# Altium PCB Xduino_Uno_Rev3.02.PcbDoc (part 3 of 3)
Units mil, origin at the board's own origin, x right, y up, seen from the top; angles counter-clockwise.
Board outline 2700 x 2100 mil, 2 copper layers (Top Layer, Bottom Layer); 236 components, 50 nets, 936 pads, 1268 vias.
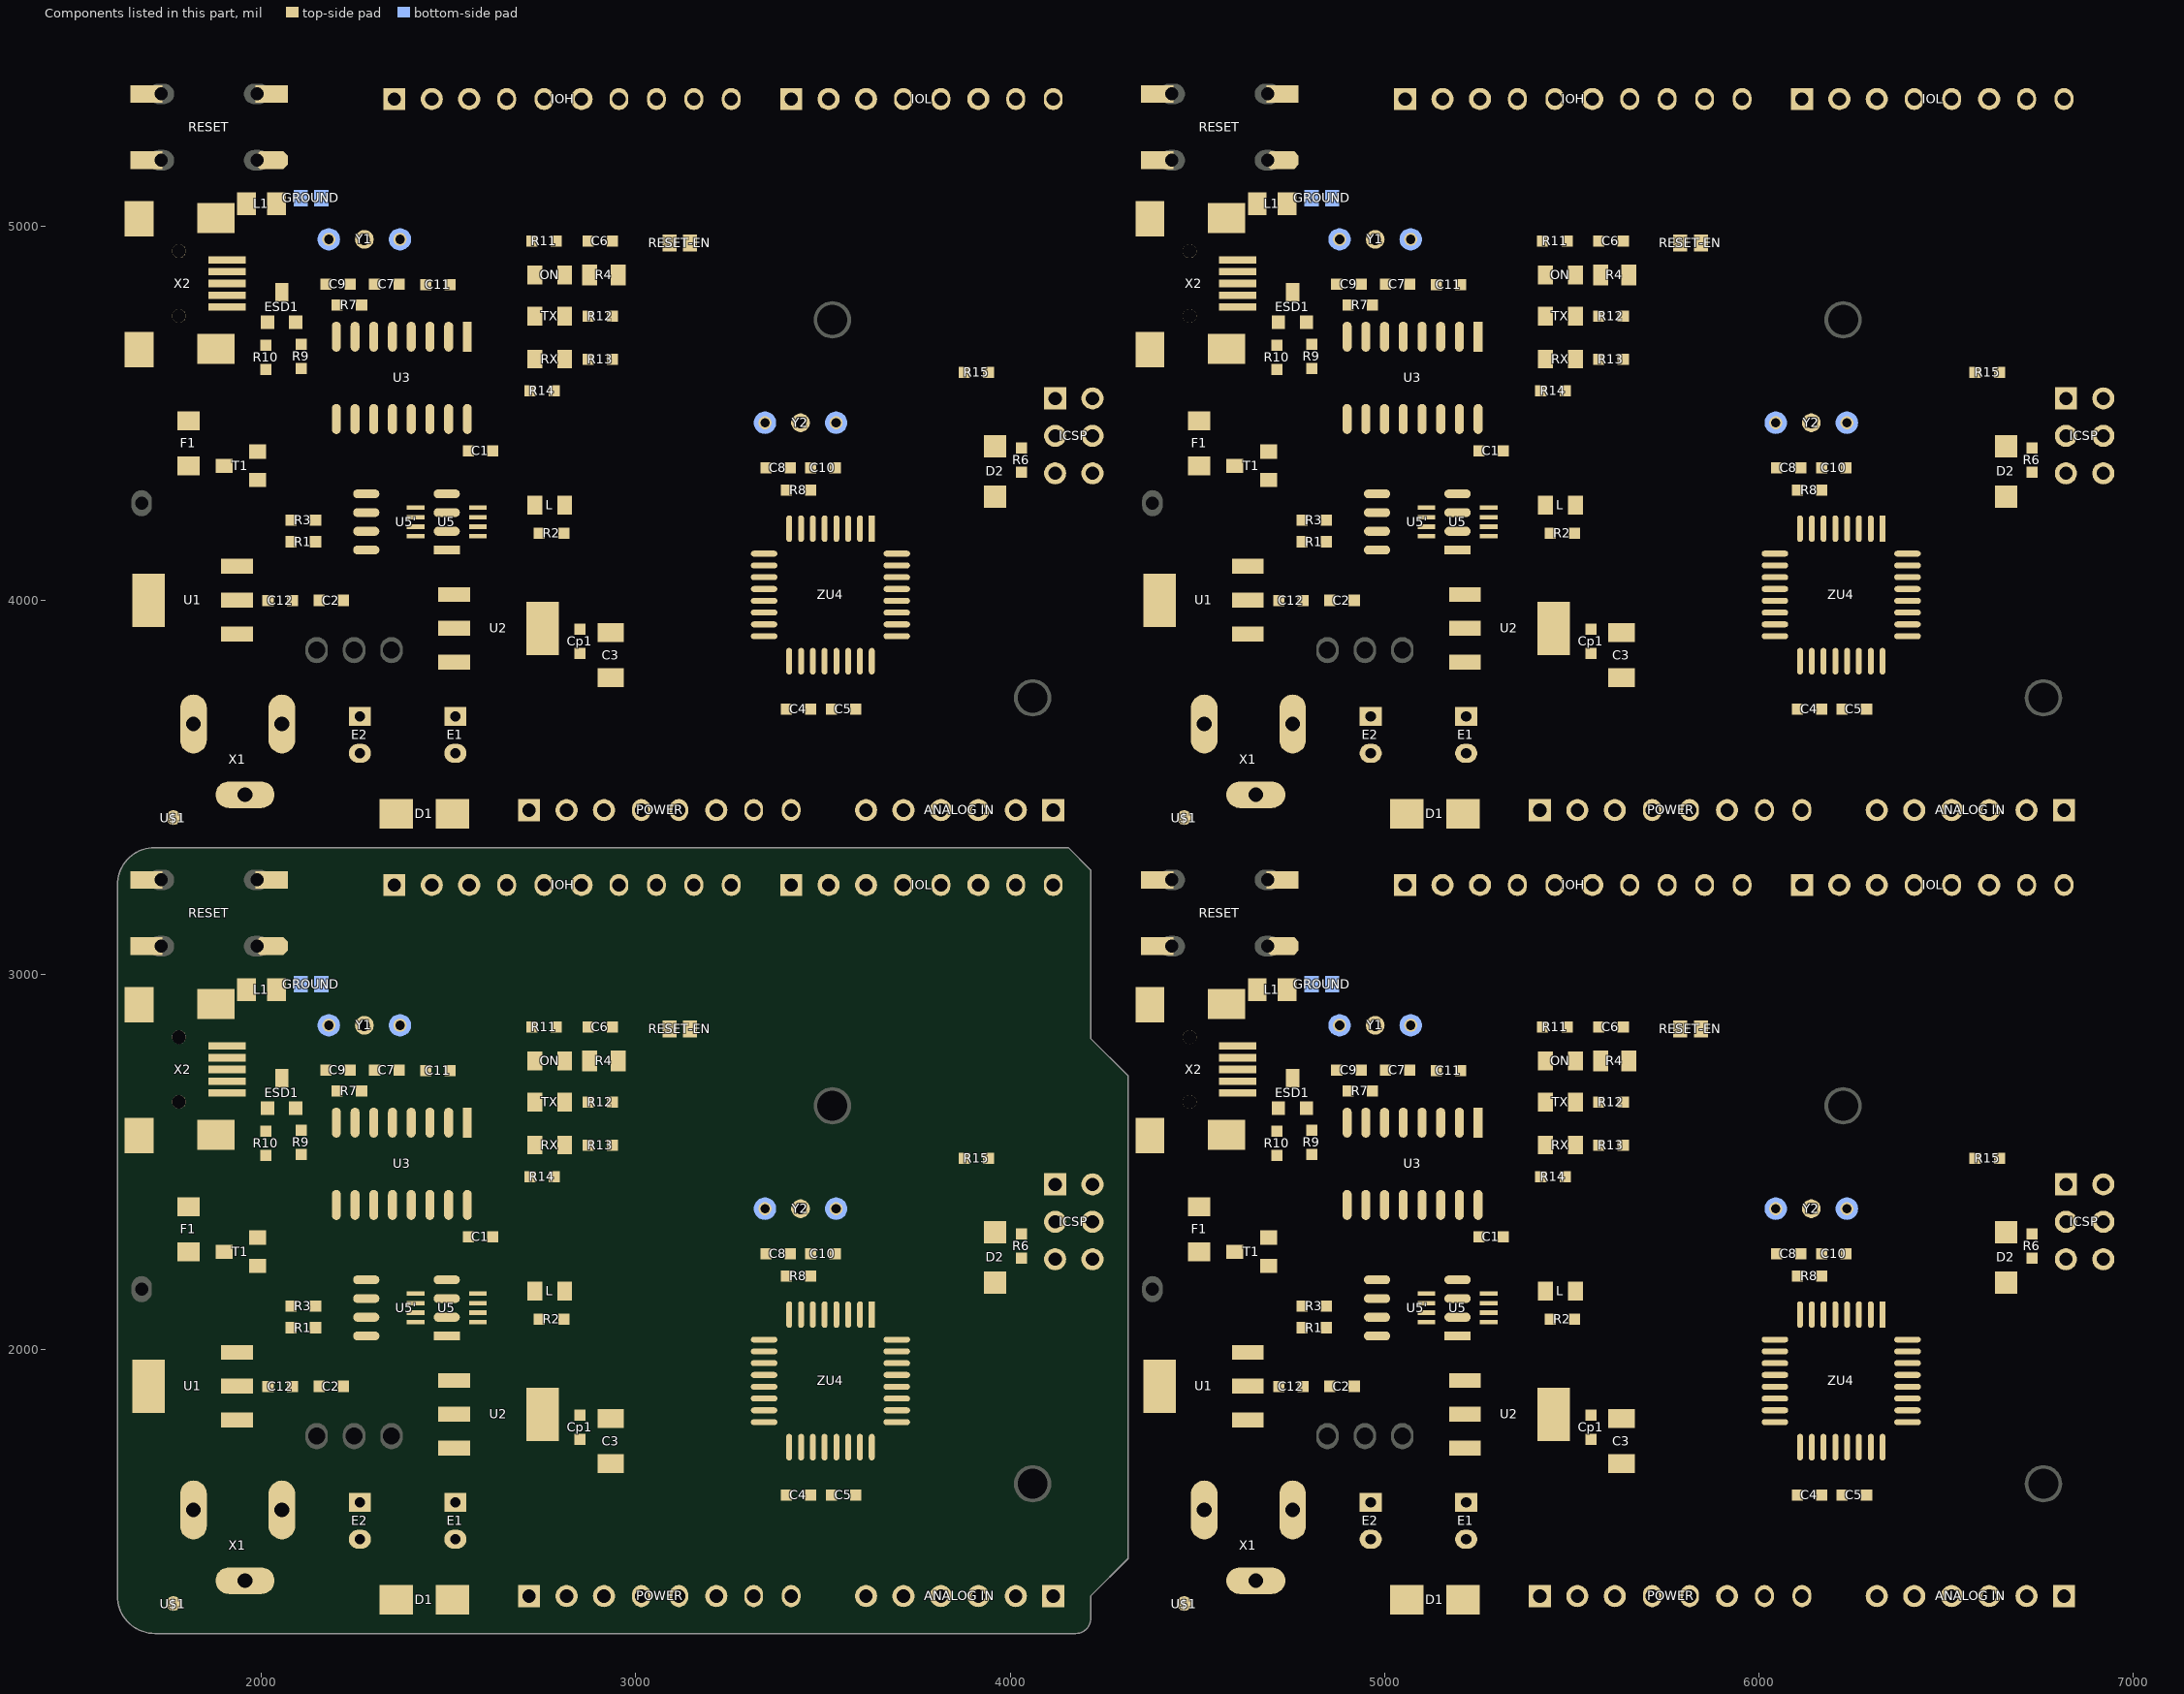
[diagram p3: the components of this part, seen from the top]

## Via types
v1: diameter 32, hole 20, Top Layer to Bottom Layer, 1252 vias
v2: diameter 45, hole 28, Top Layer to Bottom Layer, 8 vias
v3: diameter 50, hole 32, Top Layer to Bottom Layer, 8 vias

## Nets (pads, with @x,y where several pads share a name; then routed paths per layer and width w, separated by ;. In a path a pad name is that pad's centre, name@x,y a point inside that pad or via, vN(x,y) a via of type N, cw(c..) or ccw(c..) an arc to the next point about the centre after c; other vN are vias at no path point) (continued)
copper on no net: | length 202981.6
  Top Layer w10: v1@1990,4285 1990,4322 ; 2144.5,4157 2144.5,4215 2144.5,4234.5 2195,4285 2280,4285 2345,4285 2381.65,4248.35 2411.85,4248.35 ; v1@2222.83,4192.17 2276.85,4192.17 ; v1(2230,4185) 2280,4185 v1(2335,4185) 2345,4185 2357.17,4197.17 2411.85,4197.17 ; 2280,4235 2330,4235 2342.24,4222.76 2411.85,4222.76 ; 2450,4705 2450,4660 2505,4605 2672.5,4605 2717.5,4560 ; 2495,4135 2495,4185 ; 2495,4285 2511,4285 2547.65,4248.35 2578.19,4248.35 2622.35,4248.35 2627,4253 ; 2500,4705 2500,4660 2525,4635 2650,4635 2670,4655 2670,4680 2730,4740 2770,4700 2770,4610 2786,4594 3861.5,4594 3877.5,4610 ; 2742.5,4180 2734.07,4171.57 2578.19,4171.57 ; 2810,4645 2872.5,4645 ; 2810,4760 2872.5,4760 ; 3560,3760 3570,3750 ; 3567.24,4192.17 v1(3567.24,4257.24) ; 3640,4135 3665,4160 ; v1@4690,2185 4690,2222 ; v1@4690,4285 4690,4322 ; 4844.5,2057 4844.5,2115 4844.5,2134.5 4895,2185 4980,2185 5045,2185 5081.65,2148.35 5111.85,2148.35 ; 4844.5,4157 4844.5,4215 4844.5,4234.5 4895,4285 4980,4285 5045,4285 5081.65,4248.35 5111.85,4248.35 ; v1@4922.83,2092.17 4976.85,2092.17 ; v1@4922.83,4192.17 4976.85,4192.17 ; v1(4930,2085) 4980,2085 v1(5035,2085) 5045,2085 5057.17,2097.17 5111.85,2097.17 ; v1(4930,4185) 4980,4185 v1(5035,4185) 5045,4185 5057.17,4197.17 5111.85,4197.17 ; 4980,2135 5030,2135 5042.24,2122.76 5111.85,2122.76 ; 4980,4235 5030,4235 5042.24,4222.76 5111.85,4222.76 ; 5150,2605 5150,2560 5205,2505 5372.5,2505 5417.5,2460 ; 5150,4705 5150,4660 5205,4605 5372.5,4605 5417.5,4560 ; 5195,2035 5195,2085 ; 5195,2185 5211,2185 5247.65,2148.35 5278.19,2148.35 5322.35,2148.35 5327,2153 ; 5195,4135 5195,4185 ; 5195,4285 5211,4285 5247.65,4248.35 5278.19,4248.35 5322.35,4248.35 5327,4253 ; 5200,2605 5200,2560 5225,2535 5350,2535 5370,2555 5370,2580 5430,2640 5470,2600 5470,2510 5486,2494 6561.5,2494 6577.5,2510 ; 5200,4705 5200,4660 5225,4635 5350,4635 5370,4655 5370,4680 5430,4740 5470,4700 5470,4610 5486,4594 6561.5,4594 6577.5,4610 ; 5442.5,2080 5434.07,2071.57 5278.19,2071.57 ; 5442.5,4180 5434.07,4171.57 5278.19,4171.57 ; 5510,2545 5572.5,2545 ; 5510,2660 5572.5,2660 ; 5510,4645 5572.5,4645 ; 5510,4760 5572.5,4760 ; 6260,1660 6270,1650 ; 6260,3760 6270,3750 ; 6267.24,2092.17 v1(6267.24,2157.24) ; 6267.24,4192.17 v1(6267.24,4257.24) ; 6340,2035 6365,2060 ; 6340,4135 6365,4160 ; 2495,4185 2504.76,4185 2518.19,4171.57 2578.19,4171.57 ; 2495,4185 2507.17,4197.17 2578.19,4197.17 2578.19,4171.57 ; 5195,2085 5204.76,2085 5218.19,2071.57 5278.19,2071.57 ; 5195,2085 5207.17,2097.17 5278.19,2097.17 5278.19,2071.57 ; 5195,4185 5204.76,4185 5218.19,4171.57 5278.19,4171.57 ; 5195,4185 5207.17,4197.17 5278.19,4197.17 5278.19,4171.57
  Top Layer w12: 1692.68,5353.58 2027.32,5353.58 2100,5280.91 2100,5165 2164,5101 2465.77,5101 2516.77,5050 2865,5050 2955,4960 3745,4960 3800,4905 3845,4905 4148,4602 4239,4602 4275,4566 4275,4430.61 4234.39,4390 4175,4390 4125,4340 4120,4340 4032.5,4340 ; 2012,4617.5 2044.5,4585 2275,4585 2350,4660 2350,4705 ; 2106,4619.5 2270,4619.5 2300,4649.5 2300,4705 ; 2170,4965 2170,4847.5 2172.5,4845 2200,4817.5 2200,4705 ; 2250,4705 2250,4772.5 2267.5,4790 2296.5,4819 2296.5,4901.5 2360,4965 ; 2280,4235 2220,4235 2195,4210 2195,4115 2380,3930 2384.55,3925.45 2500,3925.45 ; v1(2380,3980) 2280,4080 2280,4135 2345,4135 2381.57,4171.57 2411.85,4171.57 ; 2400,4485 2400,4540 v1(2425,4565) ; 2400,4705 2400,4790 2438.5,4828.5 2438.5,4844 ; 2495,4235 2525,4235 2537.24,4222.76 2578.19,4222.76 2632.76,4222.76 2657.5,4247.5 2657.5,4282.5 2700,4325 2735,4325 2890,4480 ; 2504,3823.9 2498,3829.9 2510,3829.9 ; 2730,4645 2730,4612.5 2782.5,4560 2792.5,4570 3900,4570 v1@3940,4530 ; 2787.5,4960 v1@2826,4960 ; 2807.5,4180 2810,4182.5 2810,4255 ; v1@2828,4960 2872.5,4960 ; v1(2855,4375) v1(2855,4348) 2855,4146 3235,3766 3235,3670 3265,3640 3485,3640 3522.5,3677.5 3522.5,3710 3522.5,3751.83 3504.33,3770 3504.33,3828.01 ; 2915,3440 2970,3385 4160,3385 4175,3400 4175,3490 4147.5,3517.5 4077.5,3517.5 3935,3660 3935,3960.76 3865,4030.76 3825.76,4030.76 ; v1(2920,4510) 2890,4480 ; v1(2930.22,4454.78) 2930.22,4148 3188.22,3890 v1@3260,3890 ; v1(2950,5030) 2980,5000 3745,5000 3775,4970 v1(3825,4970) ; v1(2965,4420) 2965,4170 3198.73,3936.27 3333.07,3936.27 ; v1(2993,5064) 3011,5046 v1(3011,5039) v1(3785,5039) ; v1(3010,4455) 3010,4178.89 3221.12,3967.77 3333.07,3967.77 ; v1(3055,4420) 3055,4165 3220.73,3999.27 3333.07,3999.27 ; v1(3095,4455) 3095,4160 3224.24,4030.76 3333.07,4030.76 ; v1(3135,4420) 3135,4160 3232.74,4062.26 3333.07,4062.26 ; v1(3175,4455) 3175,4163.89 3245.13,4093.75 3333.07,4093.75 ; v1(3210,4420) 3210,4195.25 3280,4125.25 3333.07,4125.25 ; v1@3255,3904.78 3333.07,3904.78 ; 3345,4470 3345,4335 3385,4295 3402.5,4295 3409.84,4287.66 3409.84,4202.02 ; 3409.84,3828.01 3409.84,3784.84 v1(3385,3760) v1(3360,3760) 3284,3760 2890,4154 2890,4480 ; 3441.34,4202.02 3441.34,4268.84 3467.5,4295 3485,4295 3532.5,4342.5 3532.5,4355 ; 3527.5,4360 3535,4367.5 3535,4470 ; 3598.74,4192.17 3598.82,4192.24 3598.82,4245 3670,4316.18 v1(3670,4345) v1(3690,4365) ; 3630.31,4202.02 3630.31,4240.31 v1(3745,4355) ; 3707.09,3936.27 3707.59,3935.77 3774.23,3935.77 3845,3865 ; 3707.09,3967.77 v1@3780,3967.77 ; 3707.09,3999.27 3709.82,4002 3847,4002 v1@3867,3982 ; 3707.09,4030.76 3825.76,4030.76 ; 3707.09,4062.26 3797.26,4062.26 3915,4180 v1(3920,4180) ; 3707.09,4093.75 3773.75,4093.75 3885,4205 v1(3885,4260) ; 3707.09,4125.25 3765.25,4125.25 3845,4205 3845,4287 3865,4307 v1(3865,4378) ; v1(3779,3968.77) v1@3780,3967.77 ; v1(3865,3980) 3865,3935 3910,3890 ; 3880,3865 3880,3867.77 v1@3780,3967.77 ; v1(3940,4555) v1(3940,4525) v1@3942.5,4527.5 ; 3942.5,4610 3972.5,4610 v1(3982.5,4600) ; 4030,4342.5 4025,4342.5 3960,4277.5 3960,4165 3825.76,4030.76 ; 4392.68,3253.58 4727.32,3253.58 4800,3180.91 4800,3065 4864,3001 5165.77,3001 5216.77,2950 5565,2950 5655,2860 6445,2860 6500,2805 6545,2805 6848,2502 6939,2502 6975,2466 6975,2330.61 6934.39,2290 6875,2290 6825,2240 6820,2240 6732.5,2240 ; 4392.68,5353.58 4727.32,5353.58 4800,5280.91 4800,5165 4864,5101 5165.77,5101 5216.77,5050 5565,5050 5655,4960 6445,4960 6500,4905 6545,4905 6848,4602 6939,4602 6975,4566 6975,4430.61 6934.39,4390 6875,4390 6825,4340 6820,4340 6732.5,4340 ; 4712,2517.5 4744.5,2485 4975,2485 5050,2560 5050,2605 ; 4712,4617.5 4744.5,4585 4975,4585 5050,4660 5050,4705 ; 4806,2519.5 4970,2519.5 5000,2549.5 5000,2605 ; 4806,4619.5 4970,4619.5 5000,4649.5 5000,4705 ; 4870,2865 4870,2747.5 4872.5,2745 4900,2717.5 4900,2605 ; 4870,4965 4870,4847.5 4872.5,4845 4900,4817.5 4900,4705 ; 4950,2605 4950,2672.5 4967.5,2690 4996.5,2719 4996.5,2801.5 5060,2865 ; 4950,4705 4950,4772.5 4967.5,4790 4996.5,4819 4996.5,4901.5 5060,4965 ; 4980,2135 4920,2135 4895,2110 4895,2015 5080,1830 5084.55,1825.45 5200,1825.45 ; 4980,4235 4920,4235 4895,4210 4895,4115 5080,3930 5084.55,3925.45 5200,3925.45 ; v1(5080,1880) 4980,1980 4980,2035 5045,2035 5081.57,2071.57 5111.85,2071.57 ; v1(5080,3980) 4980,4080 4980,4135 5045,4135 5081.57,4171.57 5111.85,4171.57 ; 5100,2385 5100,2440 v1(5125,2465) ; 5100,2605 5100,2690 5138.5,2728.5 5138.5,2744 ; 5100,4485 5100,4540 v1(5125,4565) ; 5100,4705 5100,4790 5138.5,4828.5 5138.5,4844 ; 5195,2135 5225,2135 5237.24,2122.76 5278.19,2122.76 5332.76,2122.76 5357.5,2147.5 5357.5,2182.5 5400,2225 5435,2225 5590,2380 ; 5195,4235 5225,4235 5237.24,4222.76 5278.19,4222.76 5332.76,4222.76 5357.5,4247.5 5357.5,4282.5 5400,4325 5435,4325 5590,4480 ; 5204,1723.9 5198,1729.9 5210,1729.9 ; 5204,3823.9 5198,3829.9 5210,3829.9 ; 5430,2545 5430,2512.5 5482.5,2460 5492.5,2470 6600,2470 v1@6640,2430 ; 5430,4645 5430,4612.5 5482.5,4560 5492.5,4570 6600,4570 v1@6640,4530 ; 5487.5,2860 v1@5526,2860 ; 5487.5,4960 v1@5526,4960 ; 5507.5,2080 5510,2082.5 5510,2155 ; 5507.5,4180 5510,4182.5 5510,4255 ; v1@5528,2860 5572.5,2860 ; v1@5528,4960 5572.5,4960 ; v1(5555,2275) v1(5555,2248) 5555,2046 5935,1666 5935,1570 5965,1540 6185,1540 6222.5,1577.5 6222.5,1610 6222.5,1651.83 6204.33,1670 6204.33,1728.01 ; v1(5555,4375) v1(5555,4348) 5555,4146 5935,3766 5935,3670 5965,3640 6185,3640 6222.5,3677.5 6222.5,3710 6222.5,3751.83 6204.33,3770 6204.33,3828.01 ; 5615,1340 5670,1285 6860,1285 6875,1300 6875,1390 6847.5,1417.5 6777.5,1417.5 6635,1560 6635,1860.76 6565,1930.76 6525.76,1930.76 ; 5615,3440 5670,3385 6860,3385 6875,3400 6875,3490 6847.5,3517.5 6777.5,3517.5 6635,3660 6635,3960.76 6565,4030.76 6525.76,4030.76 ; v1(5620,2410) 5590,2380 ; v1(5620,4510) 5590,4480 ; v1(5630.22,2354.78) 5630.22,2048 5888.22,1790 v1@5960,1790 ; v1(5630.22,4454.78) 5630.22,4148 5888.22,3890 v1@5960,3890 ; v1(5650,2930) 5680,2900 6445,2900 6475,2870 v1(6525,2870) ; v1(5650,5030) 5680,5000 6445,5000 6475,4970 v1(6525,4970) ; v1(5665,2320) 5665,2070 5898.73,1836.27 6033.07,1836.27 ; v1(5665,4420) 5665,4170 5898.73,3936.27 6033.07,3936.27 ; v1(5693,2964) 5711,2946 v1(5711,2939) v1(6485,2939) ; v1(5693,5064) 5711,5046 v1(5711,5039) v1(6485,5039) ; v1(5710,2355) 5710,2078.89 5921.12,1867.77 6033.07,1867.77 ; v1(5710,4455) 5710,4178.89 5921.12,3967.77 6033.07,3967.77 ; v1(5755,2320) 5755,2065 5920.73,1899.27 6033.07,1899.27 ; v1(5755,4420) 5755,4165 5920.73,3999.27 6033.07,3999.27 ; v1(5795,2355) 5795,2060 5924.24,1930.76 6033.07,1930.76 ; v1(5795,4455) 5795,4160 5924.24,4030.76 6033.07,4030.76 ; v1(5835,2320) 5835,2060 5932.74,1962.26 6033.07,1962.26 ; v1(5835,4420) 5835,4160 5932.74,4062.26 6033.07,4062.26 ; v1(5875,2355) 5875,2063.89 5945.13,1993.75 6033.07,1993.75 ; v1(5875,4455) 5875,4163.89 5945.13,4093.75 6033.07,4093.75 ; v1(5910,2320) 5910,2095.25 5980,2025.25 6033.07,2025.25 ; v1(5910,4420) 5910,4195.25 5980,4125.25 6033.07,4125.25 ; v1@5955,1804.78 6033.07,1804.78 ; v1@5955,3904.78 6033.07,3904.78 ; 6045,2370 6045,2235 6085,2195 6102.5,2195 6109.84,2187.66 6109.84,2102.02 ; 6045,4470 6045,4335 6085,4295 6102.5,4295 6109.84,4287.66 6109.84,4202.02 ; 6109.84,1728.01 6109.84,1684.84 v1(6085,1660) v1(6060,1660) 5984,1660 5590,2054 5590,2380 ; 6109.84,3828.01 6109.84,3784.84 v1(6085,3760) v1(6060,3760) 5984,3760 5590,4154 5590,4480 ; 6141.34,2102.02 6141.34,2168.84 6167.5,2195 6185,2195 6232.5,2242.5 6232.5,2255 ; 6141.34,4202.02 6141.34,4268.84 6167.5,4295 6185,4295 6232.5,4342.5 6232.5,4355 ; 6227.5,2260 6235,2267.5 6235,2370 ; 6227.5,4360 6235,4367.5 6235,4470 ; 6298.74,2092.17 6298.82,2092.24 6298.82,2145 6370,2216.18 v1(6370,2245) v1(6390,2265) ; 6298.74,4192.17 6298.82,4192.24 6298.82,4245 6370,4316.18 v1(6370,4345) v1(6390,4365) ; 6330.31,2102.02 6330.31,2140.31 v1(6445,2255) ; 6330.31,4202.02 6330.31,4240.31 v1(6445,4355) ; 6407.09,1836.27 6407.59,1835.77 6474.23,1835.77 6545,1765 ; 6407.09,1867.77 v1@6480,1867.77 ; 6407.09,1899.27 6409.82,1902 6547,1902 v1@6567,1882 ; 6407.09,1930.76 6525.76,1930.76 ; 6407.09,1962.26 6497.26,1962.26 6615,2080 v1(6620,2080) ; 6407.09,1993.75 6473.75,1993.75 6585,2105 v1(6585,2160) ; 6407.09,2025.25 6465.25,2025.25 6545,2105 6545,2187 6565,2207 v1(6565,2278) ; 6407.09,3936.27 6407.59,3935.77 6474.23,3935.77 6545,3865 ; 6407.09,3967.77 v1@6480,3967.77 ; 6407.09,3999.27 6409.82,4002 6547,4002 v1@6567,3982 ; 6407.09,4030.76 6525.76,4030.76 ; 6407.09,4062.26 6497.26,4062.26 6615,4180 v1(6620,4180) ; 6407.09,4093.75 6473.75,4093.75 6585,4205 v1(6585,4260) ; 6407.09,4125.25 6465.25,4125.25 6545,4205 6545,4287 6565,4307 v1(6565,4378) ; v1(6479,1868.77) v1@6480,1867.77 ; v1(6479,3968.77) v1@6480,3967.77 ; v1(6565,1880) 6565,1835 6610,1790 ; v1(6565,3980) 6565,3935 6610,3890 ; 6580,1765 6580,1767.77 v1@6480,1867.77 ; 6580,3865 6580,3867.77 v1@6480,3967.77 ; v1(6640,2455) v1(6640,2425) v1@6642.5,2427.5 ; v1(6640,4555) v1(6640,4525) v1@6642.5,4527.5 ; 6642.5,2510 6672.5,2510 v1(6682.5,2500) ; 6642.5,4610 6672.5,4610 v1(6682.5,4600) ; 6730,2242.5 6725,2242.5 6660,2177.5 6660,2065 6525.76,1930.76 ; 6730,4342.5 6725,4342.5 6660,4277.5 6660,4165 6525.76,4030.76
  Top Layer w15: 1908,4847 1998,4847 2010,4835 2010,4694.5 2017,4687.5 ; 1908,4878.5 1998.5,4878.5 2020.5,4900.5 2084.5,4900.5 2100,4885 2100,4690.5 2106,4684.5 ; 2079,4091.1 2079,4150 ; 2851,3858.5 2868.5,3858.5 2933,3794 ; 3387.5,3710 3441.34,3763.84 3441.34,3936.34 3472.76,3967.76 3472.76,4192.17 3472.76,4242.76 3485,4255 3520.83,4255 ; 3407.5,4355 3457.5,4355 ; v1(3460,3680) 3460,3702.5 3467.5,3710 ; 3535.75,4192.17 3535.75,4244.25 3525,4255 3520.83,4255 ; 3540,3915 3535.83,3910.83 3535.83,3784.17 3560,3760 ; 3598.82,3828.01 3598.82,3776.18 3650,3725 3650,3475 3615,3440 ; 3630.31,3828.01 3630.31,3780.04 3675,3735.36 3675,3480 3715,3440 ; 3707.09,3904.78 3770.22,3904.78 3815,3860 3815,3440 ; 3845,3865 3845,3510 3915,3440 ; 3880,3865 3880,3575 4015,3440 ; 3910,3890 3910,3605 4015,3500 4055,3500 4115,3440 ; 4220,4540 4168,4488 4085,4488 4030,4433 4030,4407.5 4025,4412.5 3960,4412.5 3678.33,4412.5 3575.83,4310 3550,4310 3520.83,4280.83 3520.83,4255 ; 4608,2747 4698,2747 4710,2735 4710,2594.5 4717,2587.5 ; 4608,2778.5 4698.5,2778.5 4720.5,2800.5 4784.5,2800.5 4800,2785 4800,2590.5 4806,2584.5 ; 4608,4847 4698,4847 4710,4835 4710,4694.5 4717,4687.5 ; 4608,4878.5 4698.5,4878.5 4720.5,4900.5 4784.5,4900.5 4800,4885 4800,4690.5 4806,4684.5 ; 4779,1991.1 4779,2050 ; 4779,4091.1 4779,4150 ; 5551,1758.5 5568.5,1758.5 5633,1694 ; 5551,3858.5 5568.5,3858.5 5633,3794 ; 6087.5,1610 6141.34,1663.84 6141.34,1836.34 6172.76,1867.76 6172.76,2092.17 6172.76,2142.76 6185,2155 6220.83,2155 ; 6087.5,3710 6141.34,3763.84 6141.34,3936.34 6172.76,3967.76 6172.76,4192.17 6172.76,4242.76 6185,4255 6220.83,4255 ; 6107.5,2255 6157.5,2255 ; 6107.5,4355 6157.5,4355 ; v1(6160,1580) 6160,1602.5 6167.5,1610 ; v1(6160,3680) 6160,3702.5 6167.5,3710 ; 6235.75,2092.17 6235.75,2144.25 6225,2155 6220.83,2155 ; 6235.75,4192.17 6235.75,4244.25 6225,4255 6220.83,4255 ; 6240,1815 6235.83,1810.83 6235.83,1684.17 6260,1660 ; 6240,3915 6235.83,3910.83 6235.83,3784.17 6260,3760 ; 6298.82,1728.01 6298.82,1676.18 6350,1625 6350,1375 6315,1340 ; 6298.82,3828.01 6298.82,3776.18 6350,3725 6350,3475 6315,3440 ; 6330.31,1728.01 6330.31,1680.04 6375,1635.36 6375,1380 6415,1340 ; 6330.31,3828.01 6330.31,3780.04 6375,3735.36 6375,3480 6415,3440 ; 6407.09,1804.78 6470.22,1804.78 6515,1760 6515,1340 ; 6407.09,3904.78 6470.22,3904.78 6515,3860 6515,3440 ; 6545,1765 6545,1410 6615,1340 ; 6545,3865 6545,3510 6615,3440 ; 6580,1765 6580,1475 6715,1340 ; 6580,3865 6580,3575 6715,3440 ; 6610,1790 6610,1505 6715,1400 6755,1400 6815,1340 ; 6610,3890 6610,3605 6715,3500 6755,3500 6815,3440 ; 6920,2440 6868,2388 6785,2388 6730,2333 6730,2307.5 6725,2312.5 6660,2312.5 6378.33,2312.5 6275.83,2210 6250,2210 6220.83,2180.83 6220.83,2155 ; 6920,4540 6868,4488 6785,4488 6730,4433 6730,4407.5 6725,4412.5 6660,4412.5 6378.33,4412.5 6275.83,4310 6250,4310 6220.83,4280.83 6220.83,4255
  Top Layer w20: 1800,4478 1800,4482 ; 1804,4478 1800,4482 ; v1(1823,4796) 1823,4794 1833,4784 1908,4784.01 ; 1869,4909.99 1845,4909.99 1825,4890 1825,4873 1730,4778 1730,4750 1785,4695 1785,4497 1800,4482 ; 1980,4395 v1@1980,4432 ; 1990,4398 2550.5,4398 2552.5,4400 2552.5,4482.5 2550,4485 2790,4485 v1@2815,4510 ; 2035,5075 2455,5075 2515,5015 2515,4855.5 2503.5,4844 ; 2810,4860 2877,4860 ; 2937.5,4655 v1(2937.5,4692.5) 2937.5,4760 2953,4775.5 2953,4870 ; 3115,3440 v3(3115,3625) ; v3(3290,3695) 3372.5,3695 3387.5,3710 ; 4500,2378 4500,2382 ; 4500,4478 4500,4482 ; 4504,2378 4500,2382 ; 4504,4478 4500,4482 ; v1(4523,2696) 4523,2694 4533,2684 4608,2684.01 ; v1(4523,4796) 4523,4794 4533,4784 4608,4784.01 ; 4569,2809.99 4545,2809.99 4525,2790 4525,2773 4430,2678 4430,2650 4485,2595 4485,2397 4500,2382 ; 4569,4909.99 4545,4909.99 4525,4890 4525,4873 4430,4778 4430,4750 4485,4695 4485,4497 4500,4482 ; 4680,2295 v1@4680,2332 ; 4680,4395 v1@4680,4432 ; 4690,2298 5250.5,2298 5252.5,2300 5252.5,2382.5 5250,2385 5490,2385 v1@5515,2410 ; 4690,4398 5250.5,4398 5252.5,4400 5252.5,4482.5 5250,4485 5490,4485 v1@5515,4510 ; 4735,2975 5155,2975 5215,2915 5215,2755.5 5203.5,2744 ; 4735,5075 5155,5075 5215,5015 5215,4855.5 5203.5,4844 ; 5510,2760 5577,2760 ; 5510,4860 5577,4860 ; 5637.5,2555 v1(5637.5,2592.5) 5637.5,2660 5653,2675.5 5653,2770 ; 5637.5,4655 v1(5637.5,4692.5) 5637.5,4760 5653,4775.5 5653,4870 ; 5815,1340 v3(5815,1525) ; 5815,3440 v3(5815,3625) ; v3(5990,1595) 6072.5,1595 6087.5,1610 ; v3(5990,3695) 6072.5,3695 6087.5,3710
  Top Layer w25: v1(1673.28,4669.83) 1650,4693.11 1650,4984.78 v1@1685.45,5020.23 ; v1(1673.28,5020.23) v1@1685.45,5020.23 ; v1(1835,5020.23) v1@1685.45,5020.23 ; v1@1908,5028.21 1955,5060.21 ; 2510,3829.9 2515,3834.9 ; v1(4373.28,2569.83) 4350,2593.11 4350,2884.78 v1@4385.45,2920.23 ; v1(4373.28,2920.23) v1@4385.45,2920.23 ; v1(4373.28,4669.83) 4350,4693.11 4350,4984.78 v1@4385.45,5020.23 ; v1(4373.28,5020.23) v1@4385.45,5020.23 ; v1(4535,2920.23) v1@4385.45,2920.23 ; v1(4535,5020.23) v1@4385.45,5020.23 ; v1@4608,2928.21 4655,2960.21 ; v1@4608,5028.21 4655,5060.21 ; 5210,1729.9 5215,1734.9 ; 5210,3829.9 5215,3834.9
  Top Layer w30: 1935,3910 1937,3912 v1(1937,3946) ; v1@2475,4071 2475,4056 2515,4016 2550,4051 2550,4071 ; 4635,1810 4637,1812 v1(4637,1846) ; 4635,3910 4637,3912 v1(4637,3946) ; v1@5175,1971 5175,1956 5215,1916 5250,1951 5250,1971 ; v1@5175,4071 5175,4056 5215,4016 5250,4051 5250,4071
  Top Layer w32: 1930,4091.1 1935,4091.1 2014,4091.1 2153.9,4091.1 2347.5,3897.5 2347.5,3867.5 2347.5,3854.1 2511.39,3690.21 2518,3690.21 2512,3684.21 ; 2075,3667 2312,3430 2355,3430 ; 2510,3430 2439,3501 2439,3611.21 2512,3684.21 ; v2(2845,3555) 2845,3630 2790.79,3684.21 2512,3684.21 ; v2(3190,3555) 3300,3555 3415,3440 ; 4630,1991.1 4635,1991.1 4714,1991.1 4853.9,1991.1 5047.5,1797.5 5047.5,1767.5 5047.5,1754.1 5211.39,1590.21 5218,1590.21 5212,1584.21 ; 4630,4091.1 4635,4091.1 4714,4091.1 4853.9,4091.1 5047.5,3897.5 5047.5,3867.5 5047.5,3854.1 5211.39,3690.21 5218,3690.21 5212,3684.21 ; 4775,1567 5012,1330 5055,1330 ; 4775,3667 5012,3430 5055,3430 ; 5210,1330 5139,1401 5139,1511.21 5212,1584.21 ; 5210,3430 5139,3501 5139,3611.21 5212,3684.21 ; v2(5545,1455) 5545,1530 5490.79,1584.21 5212,1584.21 ; v2(5545,3555) 5545,3630 5490.79,3684.21 5212,3684.21 ; v2(5890,1455) 6000,1455 6115,1340 ; v2(5890,3555) 6000,3555 6115,3440
  Top Layer w40: 1698.78,4000.55 1935,4000.55 2019.05,4000.55 ; 2147.5,3852.5 2147.5,3805.71 2263,3690.21 ; v1(2504,3798) 2504,3823.9 ; 2515,3834.9 2515,3775 2520,3770 2804,3770 2907.5,3666.5 2907.5,3532.5 2815,3440 ; 2515,3925.45 2751.22,3925.45 2934.55,3925.45 3015,3845 3015,3440 ; 4398.78,1900.55 4635,1900.55 4719.05,1900.55 ; 4398.78,4000.55 4635,4000.55 4719.05,4000.55 ; 4847.5,1752.5 4847.5,1705.71 4963,1590.21 ; 4847.5,3852.5 4847.5,3805.71 4963,3690.21 ; v1(5204,1698) 5204,1723.9 ; v1(5204,3798) 5204,3823.9 ; 5215,1734.9 5215,1675 5220,1670 5504,1670 5607.5,1566.5 5607.5,1432.5 5515,1340 ; 5215,1825.45 5451.22,1825.45 5634.55,1825.45 5715,1745 5715,1340 ; 5215,3834.9 5215,3775 5220,3770 5504,3770 5607.5,3666.5 5607.5,3532.5 5515,3440 ; 5215,3925.45 5451.22,3925.45 5634.55,3925.45 5715,3845 5715,3440
  Top Layer w50: 1810,4360 1900,4360 ; 2355,3430 2360,3430 ; 4510,2260 4600,2260 ; 4510,4360 4600,4360 ; 5055,1330 5060,1330 ; 5055,3430 5060,3430
  Bottom Layer w10: v1(2015,4295) 2015,4285 2115,4185 v1(2230,4185) v1(2335,4185) ; v1(4715,2195) 4715,2185 4815,2085 v1(4930,2085) v1(5035,2085) ; v1(4715,4295) 4715,4285 4815,4185 v1(4930,4185) v1(5035,4185)
  Bottom Layer w12: 2355,5340 2415,5280 2475,5280 2525,5230 2598.89,5230 2630.89,5198 2782,5198 v1(2930,5050) v1(2950,5030) ; v1(2380,3980) 2504,3856 v1(2504,3798) ; v1(2401,4550) 2410,4550 v1(2425,4565) ; 2445,4565 2633,4565 2826,4758 2826,4975 v1(2828,4977) ; 2455,5340 2530,5265 2595,5265 2627,5233 2822,5233 v1@3010,5045 ; 2555,5340 2640,5255 2855,5255 3052,5058 3052,4693.11 2855,4496.11 v1(2855,4375) ; 2755,5340 2818,5277 2864.11,5277 3074,5067.11 3074,4674 2920,4520 v1(2920,4510) ; 2855,5340 3096,5099 3096,4631 2930.22,4465.22 v1(2930.22,4454.78) ; 2955,5340 2955,5280 3121.66,5113.34 3121.66,4615 2965,4458.34 v1(2965,4420) ; v1@3003.89,4466.11 3143.66,4605.89 3143.66,5126.34 3055,5215 3055,5340 ; v1(3055,4420) 3055,4486.11 3175,4606.11 3175,5150 3155,5170 3155,5340 ; v1(3095,4455) 3095,4495 3200,4600 3200,5285 3255,5340 ; v1(3135,4420) 3135,4495 3235,4595 3235,5160 3415,5340 ; v1(3175,4455) 3175,4495 3260,4580 3260,5130 3400,5270 3445,5270 3515,5340 ; v1(3210,4420) 3210,4485 3290,4565 3290,5125 3405,5240 3460,5240 3505,5285 3560,5285 3615,5340 ; v1@3220,3936.27 v1(3220,3931.27) 3220,3845 3340,3725 3846.11,3725 4085,3963.89 4085,4225 4170,4310 4170,4390 4220,4440 ; v1(3270,3875) 3270,3840 3315,3795 3846.11,3795 4038,3986.89 4038,4458 4120,4540 ; v1(3385,3760) 3850,3760 4060,3970 4060,4380 4120,4440 ; v1(3690,4365) 3715,4390 3715,5340 ; v1(3745,4355) 3745,5270 3815,5340 3830,5325 ; v1@3782.77,3967.77 3785,3970 v1(3785,5015) ; v1(3825,4970) 3815,4960 3815,4020 v1@3840,3995 ; v1(3865,4378) 3845,4398 3845,4890 3865,4910 3865,5260 3915,5310 3915,5340 ; v1(3885,4260) 3945.5,4320.5 3945.5,4535.5 3945.5,5225.5 4015,5295 4015,5340 ; v1(3920,4180) 3940,4200 3940,4275 3977.5,4312.5 v1@3977.5,4600 ; v1(3940,4525) v1(3940,4555) v1@3945.5,4560.5 ; v1@3977.5,4630 3977.5,5202.5 4115,5340 ; 5055,3240 5115,3180 5175,3180 5225,3130 5298.89,3130 5330.89,3098 5482,3098 v1(5630,2950) v1(5650,2930) ; 5055,5340 5115,5280 5175,5280 5225,5230 5298.89,5230 5330.89,5198 5482,5198 v1(5630,5050) v1(5650,5030) ; v1(5080,1880) 5204,1756 v1(5204,1698) ; v1(5080,3980) 5204,3856 v1(5204,3798) ; v1(5101,2450) 5110,2450 v1(5125,2465) ; v1(5101,4550) 5110,4550 v1(5125,4565) ; 5145,2465 5333,2465 5526,2658 5526,2875 v1(5528,2877) ; 5145,4565 5333,4565 5526,4758 5526,4975 v1(5528,4977) ; 5155,3240 5230,3165 5295,3165 5327,3133 5522,3133 v1@5710,2945 ; 5155,5340 5230,5265 5295,5265 5327,5233 5522,5233 v1@5710,5045 ; 5255,3240 5340,3155 5555,3155 5752,2958 5752,2593.11 5555,2396.11 v1(5555,2275) ; 5255,5340 5340,5255 5555,5255 5752,5058 5752,4693.11 5555,4496.11 v1(5555,4375) ; 5455,3240 5518,3177 5564.11,3177 5774,2967.11 5774,2574 5620,2420 v1(5620,2410) ; 5455,5340 5518,5277 5564.11,5277 5774,5067.11 5774,4674 5620,4520 v1(5620,4510) ; 5555,3240 5796,2999 5796,2531 5630.22,2365.22 v1(5630.22,2354.78) ; 5555,5340 5796,5099 5796,4631 5630.22,4465.22 v1(5630.22,4454.78) ; 5655,3240 5655,3180 5821.66,3013.34 5821.66,2515 5665,2358.34 v1(5665,2320) ; 5655,5340 5655,5280 5821.66,5113.34 5821.66,4615 5665,4458.34 v1(5665,4420) ; v1@5703.89,2366.11 5843.66,2505.89 5843.66,3026.34 5755,3115 5755,3240 ; v1@5703.89,4466.11 5843.66,4605.89 5843.66,5126.34 5755,5215 5755,5340 ; v1(5755,2320) 5755,2386.11 5875,2506.11 5875,3050 5855,3070 5855,3240 ; v1(5755,4420) 5755,4486.11 5875,4606.11 5875,5150 5855,5170 5855,5340 ; v1(5795,2355) 5795,2395 5900,2500 5900,3185 5955,3240 ; v1(5795,4455) 5795,4495 5900,4600 5900,5285 5955,5340 ; v1(5835,2320) 5835,2395 5935,2495 5935,3060 6115,3240 ; v1(5835,4420) 5835,4495 5935,4595 5935,5160 6115,5340 ; v1(5875,2355) 5875,2395 5960,2480 5960,3030 6100,3170 6145,3170 6215,3240 ; v1(5875,4455) 5875,4495 5960,4580 5960,5130 6100,5270 6145,5270 6215,5340 ; v1(5910,2320) 5910,2385 5990,2465 5990,3025 6105,3140 6160,3140 6205,3185 6260,3185 6315,3240 ; v1(5910,4420) 5910,4485 5990,4565 5990,5125 6105,5240 6160,5240 6205,5285 6260,5285 6315,5340 ; v1@5920,1836.27 v1(5920,1831.27) 5920,1745 6040,1625 6546.11,1625 6785,1863.89 6785,2125 6870,2210 6870,2290 6920,2340 ; v1@5920,3936.27 v1(5920,3931.27) 5920,3845 6040,3725 6546.11,3725 6785,3963.89 6785,4225 6870,4310 6870,4390 6920,4440 ; v1(5970,1775) 5970,1740 6015,1695 6546.11,1695 6738,1886.89 6738,2358 6820,2440 ; v1(5970,3875) 5970,3840 6015,3795 6546.11,3795 6738,3986.89 6738,4458 6820,4540 ; v1(6085,1660) 6550,1660 6760,1870 6760,2280 6820,2340 ; v1(6085,3760) 6550,3760 6760,3970 6760,4380 6820,4440 ; v1(6390,2265) 6415,2290 6415,3240 ; v1(6390,4365) 6415,4390 6415,5340 ; v1(6445,2255) 6445,3170 6515,3240 6530,3225 ; v1(6445,4355) 6445,5270 6515,5340 6530,5325 ; v1@6482.77,1867.77 6485,1870 v1(6485,2915) ; v1@6482.77,3967.77 6485,3970 v1(6485,5015) ; v1(6525,2870) 6515,2860 6515,1920 v1@6540,1895 ; v1(6525,4970) 6515,4960 6515,4020 v1@6540,3995 ; v1(6565,2278) 6545,2298 6545,2790 6565,2810 6565,3160 6615,3210 6615,3240 ; v1(6565,4378) 6545,4398 6545,4890 6565,4910 6565,5260 6615,5310 6615,5340 ; v1(6585,2160) 6645.5,2220.5 6645.5,2435.5 6645.5,3125.5 6715,3195 6715,3240 ; v1(6585,4260) 6645.5,4320.5 6645.5,4535.5 6645.5,5225.5 6715,5295 6715,5340 ; v1(6620,2080) 6640,2100 6640,2175 6677.5,2212.5 v1@6677.5,2500 ; v1(6620,4180) 6640,4200 6640,4275 6677.5,4312.5 v1@6677.5,4600 ; v1(6640,2425) v1(6640,2455) v1@6645.5,2460.5 ; v1(6640,4525) v1(6640,4555) v1@6645.5,4560.5 ; v1@6677.5,2530 6677.5,3102.5 6815,3240 ; v1@6677.5,4630 6677.5,5202.5 6815,5340